# KiCad board 2 - CPU and core components (Rev 2.2).kicad_pcb (continued)
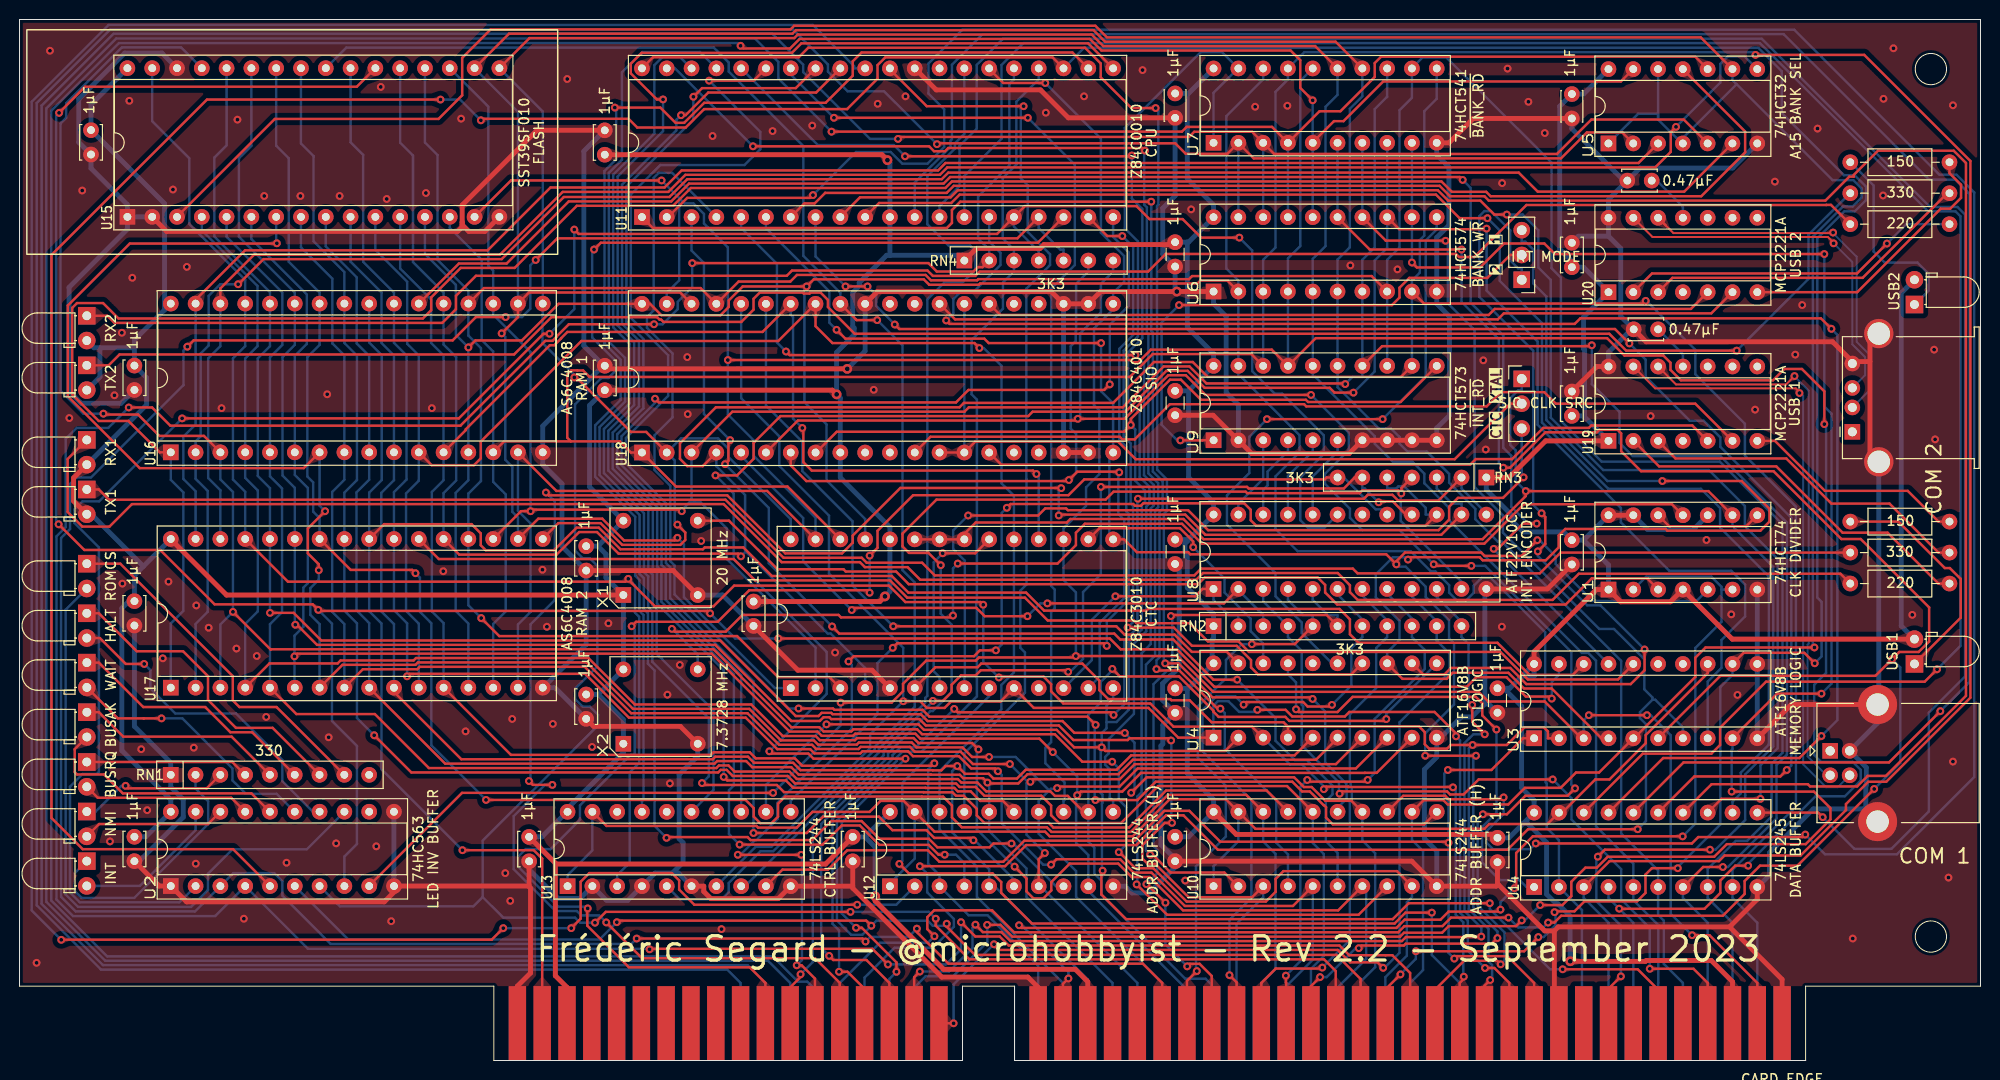
[diagram p0: board, top side]
## Routing (per net, layer and track width the routed paths; a pad name or vN(x,y) marks a point on that pad's centre or on a via; arc(x,y) is an arc through that point) (continued)
GND: length 999.5
  Top w0.5: C25.2 151.38,18.01 ; 151.38,18.01 151.24,17.86 U10.10 142.61,20.42 C24.2 ; 151.38,18.01 151.49,18.01 156.22,13.28 157.21,13.28 ; U19.14 161.51,71.12 161.51,71.06 C19.2 ; C22.2 52.2,17.95 52.12,17.87 ; C18.2 60.26,70.88 v1(84.78,70.88) ; 189.53,71.63 187.73,71.63 ; 189.53,71.63 189.53,73.59 J4.5 ; 189.53,71.63 189.53,62.26 J4.5 ; 187.73,71.63 185.7,73.65 166.61,73.65 C20.2 ; 187.73,71.63 J4.4 ; C1.2 66.95,50.21 69.46,47.7 X1.4 ; 175.16,13.69 157.61,13.69 157.21,13.28 ; 175.16,13.69 178,16.53 U14.10 ; 175.16,13.69 180.54,8.31 J1.32 ; J1.62 104.34,7.49 103.28,8.55 94.46,8.55 85.34,17.66 85.34,17.86 ; 157.21,13.28 157.21,4.28 J1.41 ; 38.98,17.87 52.12,17.87 ; 38.98,17.87 U2.10 ; 38.98,17.87 37.36,16.26 17.11,16.26 U2.1 14.24,17.87 14.24,17.95 C4.2 ; 52.12,17.87 52.34,17.66 52.34,8.96 51,7.62 J1.98 ; 45.34,85.92 45.34,85.64 46.02,84.96 47.67,84.96 49.15,86.44 U15.16 ; 45.34,85.92 45.34,87.66 53,95.32 C15.2 ; 45.34,85.92 45.34,85.43 44.87,84.96 15.08,84.96 U15.2 ; U6.1 118.54,78.8 v1(118.54,78.8) 110.73,78.8 U18.22 U18.23 105.68,78.79 87.86,78.79 U18.31 ; U11.29 93.9,99.47 104.57,99.47 107.44,96.6 C8.2 ; J3.5 181.48,36.48 178.02,33.02 U3.10 ; U13.6 70.08,17.86 70.08,17.32 70.81,16.59 77.72,16.59 78.99,17.86 U13.10 85.34,17.86 ; C11.2 122.26,66.12 124.82,63.56 U9.2 126.22,62.2 136.18,62.2 U9.7 U9.8 U9.9 U9.10 ; 85.34,17.86 C23.2 ; C2.2 58.81,34.24 67.68,34.24 69.46,32.46 X2.4 ; U7.10 146.41,94.04 148.91,96.54 C9.2 ; U21.5 87.32,40 79.72,40 C16.2 ; U8.12 156.5,48.32 C3.2 ; U18.19 U18.18
  Bottom w0.5: 67.53,19.17 66.82,19.17 67.97,20.31 67.97,22.32 67.56,22.72 67.56,29.3 69.47,31.21 X2.4 ; 67.53,19.17 67.5,19.2 65.09,19.2 U13.4 63.75,17.86 62.3,16.41 60.13,16.41 U13.2 57.42,16.61 55.15,16.61 52.2,19.56 C22.2 ; 67.53,19.17 U13.6 ; C2.2 54.84,38.2 53.59,38.2 53.62,38.2 58.04,42.63 C1.2 55.57,52.68 55.57,59.1 53.59,61.07 53.59,65.02 59.81,71.24 ; U19.14 162.76,72.59 165.1,74.93 C20.2 164.01,76.26 164.01,83.22 162.76,84.47 ; 59.81,71.24 59.9,71.24 C18.2 ; 59.81,71.24 57.8,73.24 57.8,93.19 C15.2 ; C4.2 12.26,20.42 16.78,24.94 16.78,26.73 15.49,28.02 RN1.1 15.49,30.52 11.77,34.25 C14.2 ; U14.10 178.02,17.78 179.25,19 179.25,21.29 183.74,25.79 188.85,25.79 189.17,25.47 ; U18.23 U18.18 ; 150.09,36.54 150.49,36.54 C5.2 ; 150.09,36.54 150.09,36.53 148.76,35.2 147.69,35.2 145.57,33.08 U4.10 145.16,31.08 143.9,29.82 143.9,22.74 145.17,21.47 U10.10 ; 150.09,36.54 150.09,48.17 U8.12 ; C10.2 118.79,50.46 118.79,40.3 117.89,39.4 117.85,39.4 117.09,38.64 117.09,36.91 C6.2 117.1,34.38 117.1,32.44 116.91,32.24 116.91,22.12 118.36,20.66 C24.2 118.36,19.81 115.72,17.17 113.95,17.17 113.26,17.85 112.01,17.85 ; v1(84.78,70.88) 86.61,72.71 U18.31 ; 164.5,89.99 159,95.49 C9.2 ; 164.5,89.99 C21.2 165.97,91.46 175.47,91.46 U5.7 ; 164.5,89.99 162.76,88.24 U20.14 162.76,84.47 ; U7.10 145.16,92.79 146.41,91.54 146.41,85.59 145.16,84.34 U6.10 145.16,77.55 146.46,76.25 146.46,66.11 145.17,64.81 U9.10 ; X1.4 72.02,47.7 C16.2 ; U3.10 U3.11 U1.7 ; 162.76,84.47 159.68,84.47 C17.2 ; U15.1 11.05,87.7 7.32,91.43 C12.2 6.07,94.1 6.07,98.53 10.78,103.24 14.58,103.24 U15.30 ; U15.1 U15.2 ; U15.1 11.05,85.2 5.07,79.23 5.07,68.59 6.31,67.35 10.4,67.35 C13.2 ; U6.1 122.3,77.55 123.6,76.26 123.6,68.45 124.85,67.2 U9.2 ; 189.17,25.47 189.11,25.53 189.11,28.19 189.17,28.25 189.17,30.02 J3.4 190.32,34.59 J3.5 190.44,36.6 J4.5 ; 189.17,25.47 190.15,24.48 J3.5 ; C8.2 118.36,88.61 117.1,87.35 117.1,82.63 C7.2 118.36,78.98 v1(118.54,78.8) ; U2.11 U2.10
  vias: v2(1.75,10.01) v2(3.12,103.48) v2(5.1,65.84) v2(6.42,89.15) v2(9.26,22.45) v2(9.72,68.17) v2(10.48,74.57) v2(10.53,48.87) v2(11.25,98.35) v2(11.55,80.21) v2(12.46,31.9) v2(13.07,25.65) v2(14.67,41.21) v2(15.26,49.07) v2(15.72,89.26) v2(17.14,81.33) v2(17.85,32.05) v2(18.05,20.17) v2(18.1,46.63) v2(19.37,44.35) v2(20.69,66.85) v2(22.22,42.21) v2(22.32,96.42) v2(22.98,14.53) v2(24.3,41.45) v2(25.06,88.6) v2(25.27,35.2) v2(27.35,20.27) v2(28.77,88.6) v2(31.51,68.28) v2(31.67,33.12) v2(32.43,22.25) v2(32.78,88.6) v2(36.54,21.95) v2(37,99.77) v2(37.61,88.29) v2(38.07,14.27) v2(41.62,88.9) v2(42.23,66.85) v2(43.4,50.14) v2(45.23,96.52) v2(45.69,33.73) v2(49.75,19.2) v2(50.26,16.36) v2(50.46,35) v2(53.56,50.29) v2(54.02,44.45) v2(54.63,34.49) v2(56.1,100.58) v2(58.64,32.13) v2(60.32,44.81) v2(66.36,37.49) v2(66.62,28.4) v2(67.63,40.54) v2(68.4,72.09) v2(68.45,66.24) v2(69.82,53.24) v2(70.99,94.74) v2(71.9,13.46) v2(77.13,95.25) v2(81.2,95.81) v2(83.53,41.81) v2(87.5,68.73) v2(87.9,98.04) v2(90.75,98.81) v2(105.12,97.13) v2(109.04,98.81) v2(115.03,101.5) v2(119.4,18.44) v2(120.01,87.22) v2(126.56,97.74) v2(129.86,97.84) v2(136.31,81.48) v2(141.14,81.08) v2(149.93,71.75) v2(150.18,62.61) v2(151.86,89.92) v2(151.83,44.45) v2(152.42,101.65) v2(154.55,98.25) v2(156.23,95.05) v2(167.07,66.04) v2(172.79,53.34) v2(175.33,45.72) v2(175.96,37.46) v2(177.77,66.7) v2(179.8,90.07) v2(181.88,72.34) v2(182.59,77.42) v2(184.17,95.5) v2(187.78,12.5) v2(190.87,88.65) v2(190.92,98.55) v2(191.94,103.73) v2(193.87,45.67) v2(196.11,72.85) v2(196.21,63.65) v2(197.58,18.75) v2(198.04,97.89) v2(198.04,30.63)
/CPU and Buffers/AA0: length 93.1
  Top w0.25: v2(102.85,97.8) 92.93,97.8 89.15,101.57 U11.30
  Bottom w0.25: v2(102.85,97.8) 102.56,97.51 102.56,90.4 103.27,89.69 103.27,84.91 105.56,82.62 105.56,81.52 103.12,79.09 103.12,59.58 103.14,59.57 103.14,48.78 102.51,48.15 102.51,42.29 102.99,41.81 102.99,37.69 96.77,31.48 U12.17
/CPU and Buffers/AA1: length 272.9
  Top w0.25: v2(85.8,15.96) 69.12,15.96 67.56,17.51 67.56,18.46 66.82,19.2 58.36,19.2 57.47,18.32 57.47,14.53 v2(56.51,13.56) ; v2(4.27,12.37) 4.29,12.38 48.36,12.38 v2(49.55,13.56)
  Bottom w0.25: U11.31 85.49,101.67 85.49,101.9 81.26,106.13 9.12,106.13 1.24,98.25 1.24,15.39 4.26,12.37 v2(4.27,12.37) ; v2(49.55,13.56) v2(56.51,13.56) ; 91.69,17.85 89.8,15.96 v2(85.8,15.96)
/CPU and Buffers/AA2: length 126.4
  Top w0.25: v2(72.13,29.06) 72.49,28.7 78.49,28.7 79.24,27.95 92.78,27.95 92.8,27.93 95.74,27.93 96.1,27.58 97.43,27.58 98.41,26.6 100.73,26.6 101.85,25.47 ; U11.32 81.6,99.2 70.55,99.2 68.23,96.88 v2(67.76,96.88)
  Bottom w0.25: v2(72.13,29.06) 72.13,39.99 65.29,46.82 65.29,49.99 64.86,50.42 64.86,56.55 60.76,60.64 60.76,64.35 63.45,67.03 63.45,73.77 61.71,75.5 61.71,89.75 67.28,95.32 67.28,96.4 v2(67.76,96.88)
/CPU and Buffers/AA3: length 128.5
  Top w0.25: U11.33 79.51,99.65 69.91,99.65 v2(69.02,98.76) ; v2(94.77,21.09) 94.13,21.09 93.13,22.1 88.05,22.1 86.07,24.08 84.22,24.08 82.26,22.12 v2(73.75,22.12)
  Bottom w0.25: v2(94.77,21.09) 95.92,21.09 96.77,20.24 U12.4 ; v2(73.75,22.12) 72.66,23.22 72.66,27.69 73.17,28.19 73.17,39.58 65.74,47.01 65.74,50.17 65.31,50.61 65.31,56.73 61.21,60.83 61.21,64.16 63.9,66.85 63.9,73.95 62.16,75.69 62.16,89.57 69.02,96.43 v2(69.02,98.76)
/CPU and Buffers/AA4: length 102.3
  Top w0.25: v2(83.42,96.61) v2(103.28,96.61)
  Bottom w0.25: U12.13 106.93,26.6 107.04,26.71 107.04,28.5 105.08,30.46 105.08,32.04 105.66,32.63 105.66,45.98 106.03,46.34 106.03,48.26 105.66,48.63 105.66,79.09 108.1,81.52 108.1,91.8 v2(103.28,96.61) ; v2(83.42,96.61) 78.99,101.04 U11.34
/CPU and Buffers/AA5: length 135.7
  Top w0.25: U11.35 75.36,100.58 75.35,100.58 75.19,100.41 v2(70.63,100.41) ; v2(97.71,22.57) 97.47,22.81 93.69,22.81 92.9,23.6 89.41,23.6 88.03,24.98 82.31,24.98 80.63,23.31 v2(75.18,23.31)
  Bottom w0.25: v2(75.18,23.31) 75.18,38.85 66.64,47.38 66.64,50.55 66.21,50.98 66.21,57.11 62.11,61.21 62.11,63.79 66.44,68.11 66.44,72.28 62.61,76.1 62.61,88.74 65.64,91.77 74.26,91.77 75.88,93.39 75.88,95.17 v2(70.63,100.41) ; v2(97.71,22.57) 97.84,22.57 101.85,18.55 101.85,17.85
/CPU and Buffers/AA6: length 115.2
  Top w0.25: v2(90.7,92.66) 113.86,92.66 v2(113.94,92.74)
  Bottom w0.25: v2(90.7,92.66) 89.55,93.81 81.77,93.81 73.91,101.67 U11.36 ; v2(113.94,92.74) 113.94,88.33 115,87.26 115,74.02 113.55,72.56 113.55,67.58 114.73,66.4 114.73,59.8 115.73,58.79 115.73,57.08 115.41,56.76 115.41,43.98 114.14,42.72 114.14,35.52 111.57,32.95 111.57,31.48 111.2,31.11 111.2,30.32 111.67,29.84 111.67,26.94 112.01,26.6 112.01,25.47
/CPU and Buffers/AA7: length 139.6
  Top w0.25: v2(66.27,22.82) 66.34,22.89 74.57,22.89 74.88,22.59 81.18,22.59 83.13,24.53 86.25,24.53 88.06,22.72 93.14,22.72 94.02,21.84 99.36,21.84 99.75,22.23 v2(101.6,22.23)
  Bottom w0.25: U11.37 69.7,103.35 63.78,103.35 61.7,101.28 61.7,92.31 60.36,90.96 60.36,73.66 62.03,72 62.03,67.52 59.41,64.9 59.41,60 63.51,55.91 63.51,49.86 63.94,49.43 63.94,46.26 64.36,45.84 64.36,40.65 65.04,39.98 65.04,24.04 v2(66.27,22.82) ; U12.8 106.17,17.85 101.79,22.23 v2(101.6,22.23)
/CPU and Buffers/AA8: length 151.2
  Top w0.25: v2(69.91,28.43) 70.1,28.23 77.57,28.23 78.31,27.5 92.6,27.5 92.61,27.48 95.56,27.48 95.91,27.13 96.71,27.13 98.04,25.8 98.04,25.12 98.82,24.35 105.42,24.35 105.89,23.88 113.65,23.88 117.44,27.67 127.74,27.67 U10.17
  Bottom w0.25: U11.38 68.81,101.67 67.65,102.83 65.85,102.83 65.02,102 65.02,94.99 60.81,90.78 60.81,75.13 62.48,73.46 62.48,67.33 59.86,64.72 59.86,60.19 63.96,56.09 63.96,50.05 64.39,49.61 64.39,46.45 64.81,46.03 64.81,40.85 70.61,35.06 70.61,29.13 v2(69.91,28.43)
/CPU and Buffers/AA9: length 136.6
  Top w0.25: v2(115.8,21.08) 116.08,21.08 117.9,19.26 123.4,19.26 124.8,17.86 U10.2 ; v2(115.28,93.25) 115.01,93.51 95.13,93.51 94.79,93.18 93.67,93.18 93.17,93.69 v2(75.13,93.69)
  Bottom w0.25: U11.39 67.14,101.67 v2(75.13,93.69) ; v2(115.8,21.08) 115.38,21.51 115.38,40.56 116.31,41.49 116.31,56.39 116.63,56.71 116.63,59.17 115.63,60.17 115.63,74.41 115.47,74.57 115.47,87.43 115.2,87.71 115.2,93.16 v2(115.28,93.25)
/CPU and Buffers/AA10: length 144.6
  Top w0.25: v2(117.35,40.7) 118.7,40.7 122.19,37.22 132.28,37.22 v2(132.45,37.05) ; U11.40 64.89,102.81 79.81,102.81 80.79,103.79 109.13,103.79 110.74,102.18 110.74,100.75 113.89,97.61 v2(116.37,97.61)
  Bottom w0.25: v2(116.37,97.61) 116.65,97.33 116.65,87.71 116.51,87.57 116.51,74.81 116.53,74.79 116.53,60.54 117.53,59.54 117.53,56.33 117.21,56.01 117.21,40.84 v2(117.35,40.7) ; v2(132.45,37.05) 133.73,35.77 133.73,30.54 135.89,28.38 135.89,27.89 135.94,27.84 135.94,26.83 135.01,25.9 U10.15
/CPU and Buffers/AA11: length 132.5
  Top w0.25: U11.1 63.75,86.43 64.87,85.31 94.98,85.31 95.5,85.83 95.5,87.15 96.36,88.01 v2(115.92,88.01) ; v2(123,36.05) 122.71,36.05 118.79,39.97 116.59,39.97 v2(116.46,40.11)
  Bottom w0.25: U10.4 129.93,21.12 128.72,22.33 128.72,26.67 123.45,31.94 123.45,35.61 v2(123,36.05) ; v2(115.92,88.01) 115.92,74.76 116.08,74.6 116.08,60.36 117.08,59.35 117.08,56.52 116.76,56.2 116.76,41.3 116.46,41 v2(116.46,40.11)
/CPU and Buffers/AA12: length 290.1
  Top w0.25: v2(152.01,26.96) 151.82,26.77 146.39,26.77 146.03,27.13 141.73,27.13 U10.13 ; v2(155.31,22.24) 171.29,22.24 171.95,22.9 182.65,22.9 v2(182.91,23.15) ; v2(81.27,88.69) 80.98,88.4 68.39,88.4 66.42,86.43 U11.2
  Bottom w0.25: v2(182.91,23.15) 184.93,21.13 192.3,21.13 200.22,29.05 200.22,88.96 198.39,90.78 196.64,90.78 181.78,105.63 96.57,105.63 93.1,102.17 93.1,99.09 94.71,97.48 94.71,93.62 93,91.91 90.43,91.91 89.23,93.1 85.68,93.1 v2(81.27,88.69) ; v2(152.01,26.96) 152.01,25.26 150.25,23.49 150.25,22.33 150.93,21.65 154.72,21.65 v2(155.31,22.24)
/CPU and Buffers/AA13: length 118.8
  Top w0.25: v2(83.23,44.48) 83.96,43.75 112.13,43.75 112.74,43.14 118.17,43.14 122.29,39.02 v2(124.72,39.02) ; v2(72.26,61.11) 72.61,61.46 72.61,63.4 v2(72.78,63.57)
  Bottom w0.25: U10.6 135.01,21.27 133.8,22.48 133.8,26.59 134.49,27.27 134.49,28.16 131.86,30.78 130.63,30.78 128.65,32.76 128.65,35.1 v2(124.72,39.02) ; U11.3 68.83,83 70.1,81.73 70.1,66.26 v2(72.78,63.57) ; v2(72.26,61.11) 76.75,56.63 76.75,50.96 v2(83.23,44.48)
/CPU and Buffers/AA14: length 149.3
  Top w0.25: v2(110.2,26.69) 110.2,26.69 114.5,26.69 116.38,28.57 130.37,28.57 131.37,27.57 132.17,27.57 133.58,26.16 133.62,26.16 133.83,25.96 133.83,24.89 134.53,24.19 143.87,24.19 U10.11 ; v2(110.22,34.39) 109.38,35.23 93.2,35.23 92.5,35.94 83.46,35.94 83.33,36.07 v2(79.79,36.07)
  Bottom w0.25: v2(110.22,34.39) 110.12,34.29 110.12,26.77 v2(110.2,26.69) ; U11.4 66.85,90.96 65.47,90.96 64.96,90.45 64.96,76.88 64.27,76.19 64.27,75.08 66.89,72.46 66.89,65.92 65.04,64.07 65.04,60.51 66.66,58.89 66.66,51.17 67.09,50.73 67.09,47.77 78.79,36.07 v2(79.79,36.07)
/CPU and Buffers/AA15: length 135.5
  Top w0.25: U10.8 137.16,14.93 117.54,14.93 v2(114.42,18.05) ; v2(78.51,72.66) 78.87,72.29 v2(114.3,72.29)
  Bottom w0.25: U11.5 73.91,85.31 77.58,81.64 77.58,73.58 v2(78.51,72.66) ; v2(114.42,18.05) 114.5,18.12 114.5,27.05 114.93,27.49 114.93,41.74 115.86,42.67 115.86,56.57 116.18,56.89 116.18,58.98 115.18,59.98 115.18,71.41 v2(114.3,72.29)
/CPU and Buffers/DD0: length 214.4
  Top w0.25: U14.18 166.26,31.44 173.3,31.44 174.19,32.33 174.19,34.11 178.89,38.82 195.14,38.82 v2(196.41,40.09)
  Bottom w0.25: U11.14 96.77,90.65 100.58,94.46 100.58,102.02 102.82,104.26 178.26,104.26 195.5,87.02 198.29,87.02 198.81,86.5 198.81,42.49 v2(196.41,40.09)
/CPU and Buffers/DD1: length 173.4
  Top w0.25: v2(185.59,74.98) 184.51,76.06 159.87,76.06 159.3,75.49 95.27,75.49 v2(94.91,75.84) ; v2(184.57,33.25) 182.31,30.99 168.35,30.99 U14.17
  Bottom w0.25: U11.15 99.31,83.93 100.48,82.77 100.48,81.52 97.82,78.87 96.48,78.87 95.65,78.03 95.65,76.58 v2(94.91,75.84) ; v2(184.57,33.25) 186.2,34.89 186.2,74.37 v2(185.59,74.98)
/CPU and Buffers/DD2: length 219.5
  Top w0.25: v2(196.74,35.8) 191.49,30.54 170.44,30.54 U14.16
  Bottom w0.25: U11.12 91.69,89.97 95.36,93.63 95.36,94.27 95.5,94.41 95.5,102.04 98.64,105.18 180.68,105.18 195.59,90.27 198.26,90.27 199.73,88.8 199.73,38.79 v2(196.74,35.8)
/CPU and Buffers/DD3: length 158.3
  Top w0.25: v2(89.65,75.43) 90.11,74.96 163.42,74.96 v2(164.89,73.48) ; v2(84.61,79.33) v2(86.86,79.33) ; U14.15 171.54,29.11 180.36,29.11 v2(181.02,29.77)
  Bottom w0.25: v2(84.61,79.33) 81.53,82.4 U11.8 ; v2(86.86,79.33) 87.74,78.45 87.74,77.33 v2(89.65,75.43) ; v2(181.02,29.77) 181.48,30.23 181.48,55.62 174.21,62.89 174.21,63.85 172.5,65.56 171.09,65.56 166.57,70.08 166.57,71.81 v2(164.89,73.48)
/CPU and Buffers/DD4: length 213.8
  Top w0.25: U11.7 80.39,87.83 81.44,87.83 82.52,88.91 94.97,88.91 95.69,89.64 145.46,89.64 146.52,88.57 150.04,88.57 150.49,88.12 184.97,88.12 187.42,90.58 187.88,90.58 187.88,90.75 190.36,93.23 198.11,93.23 199.37,91.98 199.37,37.37 191.16,29.16 189.3,29.16 188.22,28.08 183.41,28.08 183.18,28.31 173.32,28.31 170.4,25.4 U14.14
/CPU and Buffers/DD5: length 155.8
  Top w0.25: U14.13 174.33,26.81 v2(178.32,26.81) ; v2(152.34,86.69) 151.06,86.69 149.63,88.12 146.34,88.12 145.27,89.19 96.1,89.19 95.38,88.46 86.09,88.46 84.07,86.44 U11.9
  Bottom w0.25: v2(152.34,86.69) 153.96,86.69 155.57,85.08 155.57,81.27 156.84,80 156.84,65.88 162.21,60.51 173.04,60.51 176.73,56.82 176.73,54.75 180.08,51.4 180.08,32 178.32,30.24 v2(178.32,26.81)
/CPU and Buffers/DD6: length 145.7
  Top w0.25: U11.10 86.61,86.44 88.05,87.88 95.43,87.88 96.29,88.74 145.08,88.74 147.5,86.32 v2(150.36,86.32)
  Bottom w0.25: U14.12 175.46,26.53 176.3,27.37 176.3,29.5 179.18,32.37 179.18,49.61 174.19,54.6 174.19,56.62 172.22,58.59 162.74,58.59 155.94,65.38 155.94,75.57 151.62,79.89 151.62,85.06 v2(150.36,86.32)
/CPU and Buffers/DD7: length 210.4
  Top w0.25: v2(184.69,24.94) 184.23,25.4 U14.11
  Bottom w0.25: v2(184.69,24.94) 187.94,21.69 191.74,21.69 195.57,25.52 195.57,35.65 199.28,39.36 199.28,86.69 198.5,87.47 195.69,87.47 178.45,104.71 100.73,104.71 98.04,102.03 98.04,95.5 96.28,93.73 96.28,89.61 94.23,87.56 U11.13
/CPU and Buffers/~{CIORQ}: length 114.9
  Top w0.25: v2(111.67,69.29) 111.1,68.72 97.2,68.72 95.92,67.44 65.47,67.44 v2(65.09,67.82)
  Bottom w0.25: v2(111.67,69.29) 111.67,75.4 113.62,77.35 113.62,82.8 112.01,84.4 U11.20 ; v2(65.09,67.82) 65.09,67.4 61.66,63.97 61.66,61.02 65.76,56.92 65.76,50.79 66.19,50.36 66.19,47.2 73.91,39.48 U13.13
/CPU and Buffers/~{CM1}: length 100
  Bottom w0.25: U13.8 74.31,17.86 88.03,31.58 88.03,31.94 92.77,36.68 92.77,37.16 92.98,37.37 92.98,77.99 94.76,79.77 96.63,79.77 97.9,81.04 97.9,82.98 97.37,83.51 95.17,83.51 92.98,85.7 92.98,90.62 95.81,93.44 95.81,93.99 96.77,94.95 U11.27
/CPU and Buffers/~{CMREQ}: length 92
  Top w0.25: U11.19 111.42,84.49 v2(112.96,84.49) ; v2(111.37,42.49) 111.1,42.76 89.91,42.76 v2(89.44,42.29)
  Bottom w0.25: v2(112.96,84.49) 114.07,83.38 114.07,74.36 112.64,72.93 112.64,63.61 113.36,62.89 113.36,56.28 113.6,56.04 113.6,47.2 111.37,44.96 v2(111.37,42.49) ; v2(89.44,42.29) 87.88,40.73 87.88,35.5 78.99,26.61 U13.11
/CPU and Buffers/~{CRD}: length 138.9
  Top w0.25: U11.21 109.45,104.24 80.09,104.24 79.11,103.26 63.72,103.26 62.61,102.15 62.61,101.16 65.28,98.49 v2(65.91,98.49)
  Bottom w0.25: U13.15 71.08,27.73 71.08,35.86 65.27,41.68 65.27,46.22 64.84,46.64 64.84,49.8 64.41,50.23 64.41,56.36 60.31,60.46 60.31,64.53 62.95,67.17 62.95,73.62 61.26,75.32 61.26,90.59 65.91,95.24 v2(65.91,98.49)
/CPU and Buffers/~{CWR}: length 130.3
  Top w0.25: U11.22 107.85,103.3 86.25,103.3 85.34,102.39 85.34,100.92 82.57,98.14 70.13,98.14 68.08,96.09 67.2,96.09 65.64,97.65 v2(60.97,97.65)
  Bottom w0.25: v2(60.97,97.65) 61.11,97.52 61.11,92.35 59.91,91.15 59.91,73.48 61.58,71.81 61.58,67.7 58.96,65.09 58.96,59.82 63.06,55.72 63.06,49.67 63.49,49.24 63.49,46.08 63.91,45.66 63.91,26.77 63.75,26.61 U13.17
/SIO/D1+: length 62.7
  Top w0.2: U19.13 167.54,68.88 181.94,68.88 182.44,68.39
  Bottom w0.2: 187.46,29.23 186.23,28 185.04,28 182.7,30.35 182.7,68.13 182.44,68.39
  Bottom w0.25: J3.3 187.46,29.23
  vias: v2(182.31,68.4)
/SIO/D1-: length 57.8
  Top w0.2: v2(181.81,70.14) 180.94,69.28 169.67,69.28 167.84,71.12 167.84,71.12
  Top w0.25: 167.84,71.12 U19.12
  Bottom w0.2: v2(181.81,70.14) 181.81,70.1 183.26,68.64 183.26,42.73 183.15,42.61 183.15,31.17 185.08,29.23 185.46,29.23
  Bottom w0.25: J3.2 185.46,29.23
/SIO/D2+: length 38.3
  Top w0.2: 165.3,86.36 167.26,84.39 185.23,84.39 185.81,83.81 v2(185.81,83.74)
  Top w0.25: U20.13 165.3,86.36
  Bottom w0.2: v2(185.81,83.74) 187.73,81.83 187.73,73.39 189.05,72.07 189.05,70.24 187.73,68.92 J4.3
/SIO/D2-: length 39.9
  Top w0.2: 167.84,86.36 169.4,84.79 185.47,84.79 185.52,84.85 v2(185.76,84.85)
  Top w0.25: 168.62,85.58 U20.12
  Bottom w0.2: J4.2 189.5,68.7 189.5,72.31 188.18,73.63 188.18,82.36 185.76,84.78 v2(185.76,84.85)
A0: length 227.6
  Top w0.25: U18.34 78.99,77.54 76.1,74.66 56.12,74.66 55.47,74.01 55.47,73.99 54.78,73.3 54.32,73.3 45.71,64.7 45.71,64.6 U16.12 ; U17.12 43.45,38.2 50.33,31.32 70.82,31.32 71.08,31.58 74.8,31.58 75.42,30.96 79.42,30.96 80.17,30.2 93.45,30.2 v2(93.7,30.46) ; v2(104.16,60.1) 103.81,60.45 81.14,60.45 80.28,61.32 80.28,64.72 v2(80.18,64.82)
  Bottom w0.25: v2(104.16,60.1) 104.39,59.87 U21.18 ; U17.12 43.43,44.82 42.23,46.02 42.23,58.27 43.43,59.47 U16.12 43.43,72.26 42.16,73.53 42.16,77.99 38.99,81.16 U15.12 ; v2(80.18,64.82) 79.23,65.77 79.23,76.18 78.99,76.42 U18.34 ; v2(93.7,30.46) 93.07,29.82 93.07,20.15 94.23,18.98 U12.3 97.2,14.88 99.15,14.88 104.34,9.7 J1.31
A1: length 199.5
  Top w0.25: U16.11 42.21,61.01 46.55,61.01 47.24,61.7 47.24,63.43 57.55,73.73 77.71,73.73 81.53,77.54 U18.33 81.53,75.25 83.26,73.52 97.81,73.52 v2(98.32,73.01)
  Bottom w0.25: J1.30 106.88,7.95 98.06,16.76 98.06,19.86 94.23,23.69 U12.18 94.23,29.65 100.57,35.99 100.57,38.49 101.85,39.77 U21.19 101.85,57.88 100.58,59.15 100.58,71.18 98.75,73.01 v2(98.32,73.01) ; U17.11 40.89,44.77 39.59,46.08 39.59,58.12 40.89,59.42 U16.11 40.89,72.26 39.7,73.45 39.7,79.81 36.45,83.06 U15.11
A2: length 184.4
  Top w0.25: U4.5 132.42,33.08 130.6,31.27 113.86,31.27 112.38,29.79 103.06,29.79 102.17,28.9 99.75,28.9 99.27,29.38 96.84,29.38 v2(96.05,30.18) 94.86,30.18 94.42,29.73 93.55,29.73 93.53,29.75 79.99,29.75 79.23,30.51 75.23,30.51 74.61,31.13 71.27,31.13 71,30.87 45.25,30.87 38.35,37.77 U17.10
  Bottom w0.25: U17.10 38.35,39.33 38.35,39.33 38.35,44.72 37.05,46.02 37.05,58.17 38.35,59.47 U16.10 38.35,72.26 37.08,73.53 37.08,78.69 33.91,81.86 U15.10 ; v2(96.05,30.18) 95.52,29.65 95.52,23.39 99.31,19.6 U12.5 99.88,17.85 109.42,8.32 J1.29
A3: length 186.6
  Top w0.25: U4.6 135,33.03 132.8,30.82 114.05,30.82 112.57,29.34 103.25,29.34 102.3,28.39 99.23,28.39 v2(99.14,28.48) 98.69,28.93 96.66,28.93 96.3,29.28 93.36,29.28 93.34,29.3 79.8,29.3 79.04,30.06 75.05,30.06 74.42,30.68 71.45,30.68 71.19,30.42 43.6,30.42 35.81,38.2
  Bottom w0.25: v2(99.14,28.48) 99.31,28.31 U12.16 99.31,23.5 103.14,19.67 103.14,16.76 111.96,7.95 J1.28 ; 35.81,38.2 35.81,44.82 34.51,46.13 34.51,58.22 35.81,59.52 35.81,72.21 34.54,73.48 34.54,80.26 31.37,83.43 U15.9
A4: length 193.4
  Top w0.25: v2(101.44,30.38) 97.66,30.38 96.4,31.63 91.7,31.63 91.2,32.14 86.16,32.14 85.94,31.92 81.6,31.92 81.17,32.35 77.8,32.35 74.57,35.59 62.65,35.59 57.89,40.34 40.99,40.34 40.74,40.09 35.16,40.09 U17.8 ; v2(103.53,28.55) 103.8,28.83 112.69,28.83 114.23,30.37 134.83,30.37 137.54,33.08 U4.7 ; U12.7 104.39,20.63 v2(105.02,21.26)
  Bottom w0.25: v2(103.53,28.55) 103.27,28.55 ; 103.27,28.55 v2(101.44,30.38) ; 103.27,28.55 103.14,28.43 103.14,23.14 v2(105.02,21.26) ; U17.8 33.27,44.72 32.02,45.97 32.02,58.27 33.27,59.52 U16.8 33.27,72.26 32.05,73.48 32.05,80.11 28.83,83.33 U15.8 ; U12.7 104.59,17.85 114.5,7.95 J1.27
A5: length 239.7
  Top w0.25: 30.73,62.32 29.12,60.71 12.31,60.71 4.95,68.07 4.95,77.37 11.29,83.72 26.33,83.72 v2(26.36,83.75) ; v2(31.3,56.29) 29.53,54.53 29.53,51.97 30.65,50.85 v2(30.65,50.24) ; U4.8 140.04,33.08 136.87,29.92 114.53,29.92 112.67,28.07 106.43,28.07 v2(106.28,27.91) ; v2(99.31,31.11) 97.57,31.11 96.59,32.08 91.89,32.08 91.39,32.59 85.97,32.59 85.75,32.37 81.79,32.37 81.36,32.8 77.99,32.8 74.75,36.04 62.84,36.04 58.08,40.79 40.8,40.79 40.55,40.54 33.07,40.54 30.73,38.2
  Bottom w0.25: v2(106.28,27.91) 106.2,27.84 105.63,27.84 105.47,27.67 ; v2(30.65,50.24) 30.65,49.28 29.79,48.41 29.79,45.67 30.73,44.72 30.73,38.2 ; 105.47,27.67 102.03,31.11 v2(99.31,31.11) ; 105.47,27.67 104.39,26.6 U12.14 104.39,23.23 108.22,19.41 108.22,16.76 117.04,7.95 J1.26 ; U15.7 26.29,83.82 v2(26.36,83.75) ; 30.73,62.32 30.73,56.86 v2(31.3,56.29)
A6: length 204.7
  Top w0.25: v2(108.33,27.19) 108.7,27.56 112.95,27.56 114.87,29.47 137.79,29.47 137.79,29.48 139.01,29.48 U4.9 ; v2(105.84,31.6) 104.46,32.98 92.26,32.98 91.76,33.49 85.6,33.49 85.38,33.27 82.16,33.27 81.73,33.7 78.87,33.7 70.89,41.69 28.44,41.69 v2(28.16,41.42)
  Bottom w0.25: U17.6 28.16,38.24 v2(28.16,41.42) 28.16,43.54 29.08,44.45 29.08,48.46 29.53,48.92 29.53,58.67 28.19,60.01 U16.6 28.19,72.2 29.43,73.44 29.43,78.5 23.75,84.18 U15.6 ; v2(105.84,31.6) 108.33,29.11 v2(108.33,27.19) 108.22,27.08 108.22,22.3 109.47,21.05 109.47,17.36 119.58,7.26 J1.25
A7: length 223.5
  Top w0.25: v2(111.93,40.13) 112.7,39.36 118.77,39.36 122.28,35.85 122.28,35.75 122.82,35.21 129.66,35.21 130.06,34.8 139.81,34.8 v2(140,34.99) ; 109.47,25.47 109.01,25.47 107.37,27.11 106.05,27.11 105.59,27.58 99.02,27.58 98.12,28.48 96.47,28.48 96.12,28.83 93.17,28.83 93.16,28.85 79.61,28.85 78.86,29.61 73.24,29.61 72.61,30.23 71.64,30.23 71.38,29.97 41.93,29.97 36.4,35.5 28.36,35.5 25.65,38.2
  Bottom w0.25: U15.5 21.21,84.41 26.92,78.7 26.92,73.33 25.65,72.07 25.65,59.86 26.89,58.62 26.89,45.95 25.65,44.71 25.65,38.2 ; v2(140,34.99) 140,35.53 145.16,40.7 U4.11 ; J1.24 122.12,7.75 121.48,8.38 119.4,8.38 110.81,16.97 110.81,18.41 110.09,19.14 110.09,21.8 109.47,22.42 109.47,35.42 110.74,36.69 110.74,38.8 111.93,39.98 v2(111.93,40.13)
A8: length 199.6
  Top w0.25: U10.3 126.26,16.74 119.74,16.74 116.32,20.15 115.55,20.15 115,20.7 115,22.05 117.3,24.35 v2(118.05,24.35) ; v2(117.95,32.79) 117.73,33.02 113.69,33.02 113.51,32.84 107.95,32.84 106.46,34.33 92.82,34.33 92.17,34.98 83.14,34.98 82.95,35.17 82.35,35.17 81.97,34.8 79.06,34.8 71.26,42.59 30.48,42.59 28.41,44.66 v2(28.25,44.66)
  Bottom w0.25: J1.23 124.66,14.01 127.39,16.74 U10.3 ; v2(28.25,44.66) 28.19,44.71 U17.27 28.19,58.69 26.94,59.94 26.94,72.09 28.19,73.34 U16.27 28.19,78.69 22.47,84.41 22.47,92.46 23.75,93.73 U15.27 ; v2(117.95,32.79) 117.98,32.77 117.98,24.42 v2(118.05,24.35)
A9: length 198.9
  Top w0.25: v2(40.56,49.94) 40.22,50.28 33.92,50.28 30.75,53.44 30.73,53.44 ; U10.18 125.65,27.22 117.63,27.22 113.83,23.43 105.7,23.43 105.23,23.9 96.52,23.9 95.5,24.91 95.5,26.13 94.6,27.03 92.43,27.03 92.41,27.05 78.43,27.05 77.69,26.31 77.69,24.99 77.01,24.32 75.88,24.32 75.2,24.99 75.2,25.87 74.37,26.7 v2(47.78,26.7)
  Bottom w0.25: U10.18 127.39,22.44 128.64,21.18 128.64,9.39 127.2,7.95 J1.22 ; v2(40.56,49.94) 41.01,49.48 41.01,45.97 42.18,44.81 42.18,32.3 v2(47.78,26.7) ; 30.73,53.44 30.73,55.59 30.08,56.25 30.08,59.25 29.48,59.84 29.48,72.09 30.73,73.34 30.73,78.69 27.58,81.85 27.58,92.46 26.29,93.74 U15.26
A10: length 188.1
  Top w0.25: U10.5 130.44,15.84 119.36,15.84 115.95,19.25 114.11,19.25 112.73,20.63 106.22,20.63 v2(105.66,20.07) ; v2(39.69,39.37) 39.95,39.62 57.93,39.62 62.42,35.13 74.38,35.13 77.61,31.9 80.99,31.9 81.42,31.47 86.13,31.47 86.34,31.69 91.01,31.69 91.52,31.18 96.22,31.18 97.47,29.93 99.93,29.93 v2(100.22,29.64)
  Bottom w0.25: J1.21 129.74,7.59 132.47,10.32 U10.5 ; v2(105.66,20.07) 104.85,20.07 100.6,24.32 100.6,29.26 v2(100.22,29.64) ; U15.23 33.91,94.1 35.2,92.81 35.2,81.85 38.35,78.69 U16.23 38.35,73.55 39.64,72.26 39.64,59.54 38.35,58.25 U17.23 38.35,46.14 39.7,44.8 39.7,39.38 v2(39.69,39.37)
A11: length 198.6
  Top w0.25: U10.16 129.83,28.12 116.62,28.12 112.83,24.33 106.47,24.33 105.66,25.13 105.66,26.13 104.66,27.13 98.83,27.13 97.93,28.03 96.29,28.03 95.93,28.38 92.99,28.38 92.97,28.4 79.43,28.4 78.67,29.16 73.05,29.16 72.43,29.78 71.83,29.78 71.56,29.52 40.14,29.52 v2(36.32,33.33)
  Bottom w0.25: U10.16 132.47,22.29 133.59,21.16 133.59,10.71 132.28,9.39 J1.20 ; U15.25 28.83,93.97 30.12,92.68 30.12,83.95 33.27,80.79 U16.25 33.27,73.53 34.56,72.24 34.56,59.49 33.27,58.2 U17.25 33.27,46.09 34.56,44.81 34.56,35.09 v2(36.32,33.33)
A12: length 204.6
  Top w0.25: v2(98.22,31.88) 97.57,32.53 92.08,32.53 91.57,33.04 85.78,33.04 85.57,32.82 81.98,32.82 81.55,33.25 78.17,33.25 74.94,36.49 63.02,36.49 58.27,41.24 40.61,41.24 40.37,40.99 32.89,40.99 32.58,40.69 25.6,40.69 U17.4 ; U10.7 135.07,15.38 119.18,15.38 115.76,18.8 113.92,18.8 112.54,20.18 107.57,20.18 105.68,18.29 105.68,17.42 104.87,16.61 103.85,16.61 103.14,17.32 103.14,18.65 v2(101.92,19.87)
  Bottom w0.25: v2(101.92,19.87) 101.87,19.87 98.06,23.67 98.06,31.72 v2(98.22,31.88) ; U17.4 23.11,44.74 24.4,46.02 24.4,58.42 23.11,59.71 U16.4 23.11,71.94 24.38,73.2 24.38,79.37 18.67,85.08 U15.4 ; J1.19 134.82,7.29 135.4,7.87 135.4,7.88 137.94,10.42 137.94,17.47 U10.7
A13: length 208
  Top w0.25: v2(25.65,45.87) 28.08,45.87 30.91,43.04 71.77,43.04 79.51,35.3 81.84,35.3 82.16,35.62 83.14,35.62 83.28,35.49 92.31,35.49 93.01,34.78 106.83,34.78 108.03,33.58 113.2,33.58 v2(113.21,33.57) ; U10.14 136.42,26.61 133.76,26.61 132.35,28.02 131.55,28.02 130.55,29.02 115.45,29.02 v2(113.86,27.43)
  Bottom w0.25: J1.18 137.36,8.06 138.85,9.56 138.85,21.23 137.55,22.54 U10.14 ; v2(25.65,45.87) 25.65,58.66 24.4,59.91 24.4,71.96 25.65,73.21 25.65,78.73 19.96,84.43 19.96,92.53 21.21,93.78 U15.28 ; v2(113.86,27.43) 114.2,27.78 114.2,32.57 v2(113.21,33.57)
